# KiCad board KeeBoard.kicad_pcb (continued)
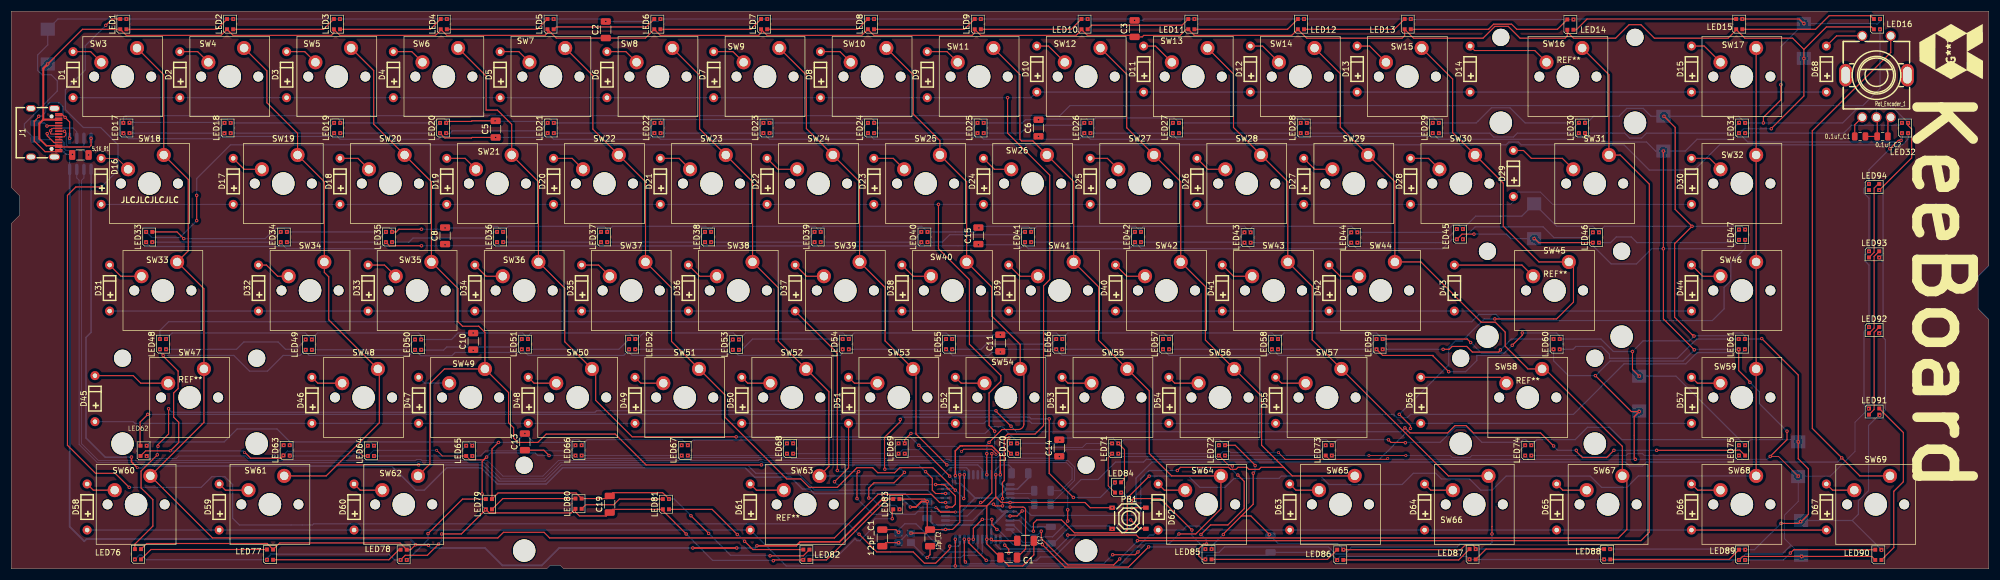
[diagram p0: board, top side]
## Nets
GND: 0.1uf_C1.2 0.1uf_C2.1 5.1K_R1.2 5.1K_R2.2 12pF_C1.2 12pF_C2.2 C1.2 C2.2 C3.2 C5.2 C6.2 C8.2 C10.2 C11.2 C13.2 C14.2 C15.2 C16.1 C17.1 C18.1 C19.2 C20.2 LED1.3 LED2.3 LED3.3 LED4.3 LED5.3 LED6.3 LED7.3 LED8.3 LED9.3 LED10.3 LED11.3 LED12.3 LED13.3 LED14.3 LED15.3 LED16.3 LED17.3 LED18.3 LED19.3 LED20.3 LED21.3 LED22.3 LED23.3 LED24.3 LED25.3 LED26.3 LED27.3 LED28.3 LED29.3 LED30.3 LED31.3 LED32.3 LED33.3 LED34.3 LED35.3 LED36.3 LED37.3 LED38.3 LED39.3 LED40.3 LED41.3 LED42.3 LED43.3 LED44.3 LED45.3 LED46.3 LED47.3 LED48.3 LED49.3 LED50.3 LED51.3 LED52.3 LED53.3 LED54.3 LED55.3 LED56.3 LED57.3 LED58.3 LED59.3 LED60.3 LED61.3 LED62.3 LED63.3 LED64.3 LED65.3 LED66.3 LED67.3 LED68.3 LED69.3 LED70.3 LED71.3 LED72.3 LED73.3 LED74.3 LED75.3 LED76.3 LED77.3 LED78.3 LED79.3 LED80.3 LED81.3 LED82.3 LED83.3 LED84.3 LED85.3 LED86.3 LED87.3 LED88.3 LED89.3 LED90.3 LED91.3 LED92.3 LED93.3 LED94.3 Main_C1.2 Main_c2.2 Main_c3.2 Main_c4.2 Main_c5.2 Main_c6.2 Main_c7.2 PB1.1 PB1.2 Rot_Encoder_1.C U2.5 U2.15 U2.23 U2.35 U2.43 U3.4 X1.2 X1.4
VBUS: C16.2 C17.2 C18.2 R1.1 U2.2 U2.7 U2.14 U2.24 U2.34 U2.44 U3.1
a4: C2.1 C3.1 C5.1 C6.1 C8.1 C10.1 C11.1 C13.1 C14.1 C15.1 C19.1 C20.1 J1.A4 J1.A9 J1.B4 J1.B9 LED1.1 LED2.1 LED3.1 LED4.1 LED5.1 LED6.1 LED7.1 LED8.1 LED9.1 LED10.1 LED11.1 LED12.1 LED13.1 LED14.1 LED15.1 LED16.1 LED17.1 LED18.1 LED19.1 LED20.1 LED21.1 LED22.1 LED23.1 LED24.1 LED25.1 LED26.1 LED27.1 LED28.1 LED29.1 LED30.1 LED31.1 LED32.1 LED33.1 LED34.1 LED35.1 LED36.1 LED37.1 LED38.1 LED39.1 LED40.1 LED41.1 LED42.1 LED43.1 LED44.1 LED45.1 LED46.1 LED47.1 LED48.1 LED49.1 LED50.1 LED51.1 LED52.1 LED53.1 LED54.1 LED55.1 LED56.1 LED57.1 LED58.1 LED59.1 LED60.1 LED61.1 LED62.1 LED63.1 LED64.1 LED65.1 LED66.1 LED67.1 LED68.1 LED69.1 LED70.1 LED71.1 LED72.1 LED73.1 LED74.1 LED75.1 LED76.1 LED77.1 LED78.1 LED79.1 LED80.1 LED81.1 LED82.1 LED83.1 LED84.1 LED85.1 LED86.1 LED87.1 LED88.1 LED89.1 LED90.1 LED91.1 LED92.1 LED93.1 LED94.1 Main_C1.1 Main_c2.1 Main_c3.1 Main_c4.1 Main_c5.1 Main_c6.1 Main_c7.1 U3.8
C1: SW3.2 SW18.2 SW33.2 SW47.2 SW60.2 U2.29
C2: SW4.2 SW19.2 SW34.2 SW48.2 SW61.2 U2.30
C3: SW5.2 SW20.2 SW35.2 SW49.2 SW62.2 U2.31
C4: SW6.2 SW21.2 SW36.2 SW50.2 U2.32
C5: SW7.2 SW22.2 SW37.2 SW51.2 U2.36
C6: SW8.2 SW23.2 SW38.2 SW52.2 SW63.2 U2.37
C7: SW9.2 SW24.2 SW39.2 SW53.2 U2.40
C8: SW10.2 SW25.2 SW40.2 SW54.2 U2.41
C9: SW11.2 SW26.2 SW41.2 SW55.2 SW64.2 U2.20
C10: SW12.2 SW27.2 SW42.2 SW56.2 SW65.2 U2.19
C11: SW13.2 SW28.2 SW43.2 SW57.2 SW66.2 U2.18
C12: SW14.2 SW29.2 SW44.2 SW58.2 SW67.2 U2.12
C13: SW15.2 SW30.2 SW45.2 U2.11
C14: SW16.2 SW31.2 U2.10
C15: SW17.2 SW32.2 SW46.2 SW59.2 SW68.2 U2.9
C16: Rot_Encoder_1.E SW69.2 U2.8
d+: R2.1 U3.2
d-: R3.1 U3.3
encoder_a: 0.1uf_C1.1 Rot_Encoder_1.A
encoder_b: 0.1uf_C2.2 Rot_Encoder_1.B
LED_DIN: LED1.4 U2.21
R1: D1.1 D2.1 D3.1 D4.1 D5.1 D6.1 D7.1 D8.1 D9.1 D10.1 D11.1 D12.1 D13.1 D14.1 D15.1 D68.1 U2.25
R2: D16.1 D17.1 D18.1 D19.1 D20.1 D21.1 D22.1 D23.1 D24.1 D25.1 D26.1 D27.1 D28.1 D29.1 D30.1 U2.26
R3: D31.1 D32.1 D33.1 D34.1 D35.1 D36.1 D37.1 D38.1 D39.1 D40.1 D41.1 D42.1 D43.1 D44.1 U2.27
R4: D45.1 D46.1 D47.1 D48.1 D49.1 D50.1 D51.1 D52.1 D53.1 D54.1 D55.1 D56.1 D57.1 U2.28
R5: D58.1 D59.1 D60.1 D61.1 D62.1 D63.1 D64.1 D65.1 D66.1 D67.1 U2.22
Rt_1: D68.2 Rot_Encoder_1.D
Net-(D1-A): D1.2 SW3.1
Net-(D2-A): D2.2 SW4.1
Net-(D3-A): D3.2 SW5.1
Net-(D4-A): D4.2 SW6.1
Net-(D5-A): D5.2 SW7.1
Net-(D6-A): D6.2 SW8.1
Net-(D7-A): D7.2 SW9.1
Net-(D8-A): D8.2 SW10.1
Net-(D9-A): D9.2 SW11.1
Net-(D10-A): D10.2 SW12.1
Net-(D11-A): D11.2 SW13.1
Net-(D12-A): D12.2 SW14.1
Net-(D13-A): D13.2 SW15.1
Net-(D14-A): D14.2 SW16.1
Net-(D15-A): D15.2 SW17.1
Net-(D16-A): D16.2 SW18.1
Net-(D17-A): D17.2 SW19.1
Net-(D18-A): D18.2 SW20.1
Net-(D19-A): D19.2 SW21.1
Net-(D20-A): D20.2 SW22.1
Net-(D21-A): D21.2 SW23.1
Net-(D22-A): D22.2 SW24.1
Net-(D23-A): D23.2 SW25.1
Net-(D24-A): D24.2 SW26.1
Net-(D25-A): D25.2 SW27.1
Net-(D26-A): D26.2 SW28.1
Net-(D27-A): D27.2 SW29.1
Net-(D28-A): D28.2 SW30.1
Net-(D29-A): D29.2 SW31.1
Net-(D30-A): D30.2 SW32.1
Net-(D31-A): D31.2 SW33.1
Net-(D32-A): D32.2 SW34.1
Net-(D33-A): D33.2 SW35.1
Net-(D34-A): D34.2 SW36.1
Net-(D35-A): D35.2 SW37.1
Net-(D36-A): D36.2 SW38.1
Net-(D37-A): D37.2 SW39.1
Net-(D38-A): D38.2 SW40.1
Net-(D39-A): D39.2 SW41.1
Net-(D40-A): D40.2 SW42.1
Net-(D41-A): D41.2 SW43.1
Net-(D42-A): D42.2 SW44.1
Net-(D43-A): D43.2 SW45.1
Net-(D44-A): D44.2 SW46.1
Net-(D45-A): D45.2 SW47.1
Net-(D46-A): D46.2 SW48.1
Net-(D47-A): D47.2 SW49.1
Net-(D48-A): D48.2 SW50.1
Net-(D49-A): D49.2 SW51.1
Net-(D50-A): D50.2 SW52.1
Net-(D51-A): D51.2 SW53.1
Net-(D52-A): D52.2 SW54.1
Net-(D53-A): D53.2 SW55.1
Net-(D54-A): D54.2 SW56.1
Net-(D55-A): D55.2 SW57.1
Net-(D56-A): D56.2 SW58.1
Net-(D57-A): D57.2 SW59.1
Net-(D58-A): D58.2 SW60.1
Net-(D59-A): D59.2 SW61.1
Net-(D60-A): D60.2 SW62.1
Net-(D61-A): D61.2 SW63.1
Net-(D62-A): D62.2 SW64.1
Net-(D63-A): D63.2 SW65.1
Net-(D64-A): D64.2 SW66.1
Net-(D65-A): D65.2 SW67.1
Net-(D66-A): D66.2 SW68.1
Net-(D67-A): D67.2 SW69.1
Net-(J1-CC1): 5.1K_R2.1 J1.A5
Net-(J1-CC2): 5.1K_R1.1 J1.B5
Net-(J1-D+-PadA6): J1.A6 J1.B6 U3.7
Net-(J1-D--PadA7): J1.A7 J1.B7 U3.6
Net-(J1-GND-PadA1): J1.A1 J1.A12 J1.B1 J1.B12 U3.5
Net-(LED1-DOUT): LED1.2 LED2.4
Net-(LED2-DOUT): LED2.2 LED3.4
Net-(LED3-DOUT): LED3.2 LED4.4
Net-(LED4-DOUT): LED4.2 LED5.4
Net-(LED5-DOUT): LED5.2 LED6.4
Net-(LED6-DOUT): LED6.2 LED7.4
Net-(LED7-DOUT): LED7.2 LED8.4
Net-(LED8-DOUT): LED8.2 LED9.4
Net-(LED10-DIN): LED9.2 LED10.4
Net-(LED10-DOUT): LED10.2 LED11.4
Net-(LED11-DOUT): LED11.2 LED12.4
Net-(LED12-DOUT): LED12.2 LED13.4
Net-(LED13-DOUT): LED13.2 LED14.4
Net-(LED14-DOUT): LED14.2 LED15.4
Net-(LED15-DOUT): LED15.2 LED16.4
Net-(LED16-DOUT): LED16.2 LED17.4
Net-(LED17-DOUT): LED17.2 LED18.4
Net-(LED18-DOUT): LED18.2 LED19.4
Net-(LED19-DOUT): LED19.2 LED20.4
Net-(LED20-DOUT): LED20.2 LED21.4
Net-(LED21-DOUT): LED21.2 LED22.4
Net-(LED22-DOUT): LED22.2 LED23.4
Net-(LED23-DOUT): LED23.2 LED24.4
Net-(LED24-DOUT): LED24.2 LED25.4
Net-(LED25-DOUT): LED25.2 LED26.4
Net-(LED26-DOUT): LED26.2 LED27.4
Net-(LED27-DOUT): LED27.2 LED28.4
Net-(LED28-DOUT): LED28.2 LED29.4
Net-(LED29-DOUT): LED29.2 LED30.4
Net-(LED30-DOUT): LED30.2 LED31.4
Net-(LED31-DOUT): LED31.2 LED32.4
Net-(LED32-DOUT): LED32.2 LED33.4
Net-(LED33-DOUT): LED33.2 LED34.4
Net-(LED34-DOUT): LED34.2 LED35.4
Net-(LED35-DOUT): LED35.2 LED36.4
Net-(LED36-DOUT): LED36.2 LED37.4
Net-(LED37-DOUT): LED37.2 LED38.4
Net-(LED38-DOUT): LED38.2 LED39.4
Net-(LED39-DOUT): LED39.2 LED40.4
Net-(LED40-DOUT): LED40.2 LED41.4
Net-(LED41-DOUT): LED41.2 LED42.4
Net-(LED42-DOUT): LED42.2 LED43.4
Net-(LED43-DOUT): LED43.2 LED44.4
Net-(LED44-DOUT): LED44.2 LED45.4
Net-(LED45-DOUT): LED45.2 LED46.4
Net-(LED46-DOUT): LED46.2 LED47.4
Net-(LED47-DOUT): LED47.2 LED48.4
Net-(LED48-DOUT): LED48.2 LED49.4
Net-(LED49-DOUT): LED49.2 LED50.4
Net-(LED50-DOUT): LED50.2 LED51.4
Net-(LED51-DOUT): LED51.2 LED52.4
Net-(LED52-DOUT): LED52.2 LED53.4
Net-(LED53-DOUT): LED53.2 LED54.4
Net-(LED54-DOUT): LED54.2 LED55.4
Net-(LED55-DOUT): LED55.2 LED56.4
Net-(LED56-DOUT): LED56.2 LED57.4
Net-(LED57-DOUT): LED57.2 LED58.4
Net-(LED58-DOUT): LED58.2 LED59.4
Net-(LED59-DOUT): LED59.2 LED60.4
Net-(LED60-DOUT): LED60.2 LED61.4
Net-(LED61-DOUT): LED61.2 LED62.4
Net-(LED62-DOUT): LED62.2 LED63.4
Net-(LED63-DOUT): LED63.2 LED64.4
Net-(LED64-DOUT): LED64.2 LED65.4
Net-(LED65-DOUT): LED65.2 LED66.4
Net-(LED66-DOUT): LED66.2 LED67.4
Net-(LED67-DOUT): LED67.2 LED68.4
Net-(LED68-DOUT): LED68.2 LED69.4
Net-(LED69-DOUT): LED69.2 LED70.4
Net-(LED70-DOUT): LED70.2 LED71.4
Net-(LED71-DOUT): LED71.2 LED72.4
Net-(LED72-DOUT): LED72.2 LED73.4
Net-(LED73-DOUT): LED73.2 LED74.4
Net-(LED74-DOUT): LED74.2 LED75.4
Net-(LED75-DOUT): LED75.2 LED76.4
Net-(LED76-DOUT): LED76.2 LED77.4
Net-(LED77-DOUT): LED77.2 LED78.4
Net-(LED78-DOUT): LED78.2 LED79.4
Net-(LED79-DOUT): LED79.2 LED80.4
Net-(LED80-DOUT): LED80.2 LED81.4
Net-(LED81-DOUT): LED81.2 LED82.4
Net-(LED82-DOUT): LED82.2 LED83.4
Net-(LED83-DOUT): LED83.2 LED84.4
Net-(LED84-DOUT): LED84.2 LED85.4
Net-(LED85-DOUT): LED85.2 LED86.4
Net-(LED86-DOUT): LED86.2 LED87.4
Net-(LED87-DOUT): LED87.2 LED88.4
Net-(LED88-DOUT): LED88.2 LED89.4
Net-(LED89-DOUT): LED89.2 LED90.4
Net-(LED90-DOUT): LED90.2 LED91.4
Net-(LED91-DOUT): LED91.2 LED92.4
Net-(LED92-DOUT): LED92.2 LED93.4
Net-(LED93-DOUT): LED93.2 LED94.4
Net-(PB1-C): PB1.3 PB1.4 R1.2 U2.13
Net-(U2-D+): R2.2 U2.4
Net-(U2-D-): R3.2 U2.3
Net-(U2-UCAP): C1.1 U2.6
Net-(U2-XTAL1): 12pF_C1.1 U2.17 X1.1
Net-(U2-XTAL2): 12pF_C2.1 U2.16 X1.3

Pads without a net: J1 0 1 2 3 A8 B8; LED94 2; Rot_Encoder_1 6 7; U2 1 33 38 39 42

## Via types
v1: diameter 0.6, hole 0.3, Top to Bottom, 440 vias
v2: diameter 0.5, hole 0.3, Top to Bottom, 60 vias

## Routing (per net, layer and track width the routed paths; a pad name or vN(x,y) marks a point on that pad's centre or on a via; arc(x,y) is an arc through that point)
GND: length 2432
  Top w0.2: v1(168.8,16.74) 168.8,11 ; 168.8,11 168.8,8.3 167.5,7 v1(166.26,7) 166.23,6.97 12pF_C2.2 ; 168.8,11 169,11.2 173.6,11.2 ; v1(314.9,86.2) 314.9,83.5 311.8,80.4 v1(311.8,79.4) ; C5.2 v1(86.1,79.78) 82,79.78 81.9,79.67 77.66,79.67 v1(77.4,79.41) ; C17.1 181.97,2.47 180,0.5 177.5,0.5 177.5,0.53 C1.2 173.6,4.42 v1(173.6,5.26) 173.6,11.2 ; v1(223.9,6.1) 220.6,9.4 218.9,9.4 ; 173.6,11.2 175.2,12.8 ; 175.2,12.8 176.2,11.8 v1(177.74,11.8) 191.07,11.8 192,10.88 v1(195.9,10.88) ; 175.2,12.8 v1(175.2,16.74) ; v1(268.9,42) 268.9,41.6 v1(267.1,39.8) ; v1(21.05,79.5) LED17.3 ; v1(67.77,60) 68.5,60 68.97,60.48 v1(73,60.48) ; 318.6,8.5 319.8,9.7 319.8,17.8 318,19.6 v1(318,22.6) 318,34.5 v1(311.5,41) ; v1(160.1,6.35) 162.88,6.35 12pF_C2.2 ; v1(117.05,12.42) 115.91,13.55 107.08,13.55 C19.2 106.03,12.5 LED80.3 100.5,13.5 86.64,13.5 LED79.3 85.55,21.35 v1(86.7,22.5) ; v1(221.01,17.02) 221.01,11.51 218.9,9.4 ; 299.1,41.7 299.2,41.7 v1(299.45,41.45) ; 299.1,41.7 299.3,41.5 ; 299.1,41.7 296,44.8 296,57.9 v1(299.1,61) 296.1,64 296.1,78.6 v1(294.1,80.6) ; v1(71.94,4.28) 71.06,3.4 LED78.3 69.18,4.6 47.77,4.6 LED77.3 45.53,4.5 45.1,4.5 ; LED84.3 198.1,16 198.1,21.23 v2(197,22.33) ; v1(332.4,67.4) 338.18,73.18 338.18,78.32 337.55,78.95 v1(337.55,79.41) ; v1(245.08,22.96) 245.54,22.5 248,22.5 ; 12pF_C1.2 155.62,4.65 v1(157.9,4.65) ; v2(216,22) 217.8,22 221.3,18.5 ; v1(260.6,3.5) 260.6,3.7 260,4.3 258.8,4.3 257.9,3.4 LED86.3 ; 45.1,4.5 24.1,4.5 LED76.3 ; 45.1,4.5 45.6,4.5 ; v1(308.05,97.91) 318.19,97.91 v1(319,97.1) ; v1(318.4,8.4) 318.08,8.08 v1(314.94,8.08) ; LED33.3 29.5,60 v1(30.7,58.8) ; LED83.3 162.56,12.42 v1(163,11.97) 163,7.47 12pF_C2.2 ; 218.9,9.4 215.7,6.2 ; v1(289.7,34.3) 288.5,35.5 v1(288.5,38.7) ; v1(160.1,24.1) 159,23 v2(159,22.33) ; v1(199.4,10.8) 199.6,10.8 199.68,10.88 PB1.2 ; v1(244.05,40.92) 259.1,40.92 259.1,40.9 v1(259.7,40.3) ; LED82.3 140.94,2.31 v1(135.04,2.31) ; v1(124.1,6.3) v1(120.95,9.45) ; Rot_Encoder_1.C 332.05,80.28 0.1uf_C2.1 0.1uf_C1.2
  Top w0.3: v1(121.3,3.7) v1(129.1,3.7) 129.2,3.7 ; v1(155.2,12.6) 147.4,4.8 140.4,4.8 139.69,4.09 v1(132.7,4.09) ; 74.1,4.3 74.08,4.28 v1(71.94,4.28) ; v1(160,11) 161,11 161.97,11.97 v1(163,11.97)
  Bottom w0.2: v1(267.1,39.8) 265.7,38.4 261.6,38.4 v1(259.7,40.3) ; v1(175.2,16.74) 175.2,17.7 176,18.5 177.5,18.5 178.03,17.97 C16.1 ; v1(49.55,22.02) 49.6,22.06 49.6,22.6 ; Main_c7.2 327.6,8.6 ; 327.6,8.6 LED90.3 ; 327.6,8.6 328.7,9.7 328.7,12.1 330.5,13.9 330.5,25.5 332.4,27.4 ; v1(237.1,3.4) 236,4.5 225.47,4.5 C20.2 ; v1(332.5,27.3) 332.6,27.3 333.5,28.2 333.5,40.8 332.5,41.8 ; 91.4,24.1 89.8,22.5 v1(86.7,22.5) 82.5,22.5 82.05,22.05 v2(82.05,21.92) 81.36,22.6 65.3,22.6 64.61,21.92 v2(64.55,21.92) 63.86,22.6 49.6,22.6 ; v1(195.9,10.88) 199.38,10.88 199.4,10.9 ; v1(115.53,97.91) v1(134.53,97.91) v1(153.53,97.91) v1(172.54,97.91) v1(191.54,97.91) 199.41,97.91 199.66,97.67 v1(199.9,97.67) 201.34,97.67 201.59,97.91 v1(210.55,97.91) v1(230.05,97.91) v1(249.05,97.91) 249.13,97.83 v1(278,97.83) 278.08,97.91 v1(308.05,97.91) ; v1(115.53,97.91) 115.26,98.17 ; v1(115.53,97.91) 115.09,97.47 v1(105.8,97.47) 105.36,97.91 v1(96.52,97.91) v1(77.52,97.91) v1(58.51,97.91) v1(39.51,97.91) v1(20.5,97.91) 8.32,97.91 Main_C1.2 6.5,93.3 4.7,91.5 4.7,88.74 5.44,88 7.1,88 8.2,86.9 8.2,85.1 2.34,79.24 2.34,78.4 5.1K_R2.2 7.16,76.44 9.8,73.8 v1(10.9,73.8) 10.39,73.3 U3.4 ; v1(77.4,79.41) 77.4,79.9 77.1,80.2 75.9,80.2 75.11,79.41 v1(58.55,79.41) 58.55,79.75 58.1,80.2 57.2,80.2 56.42,79.41 v1(39.05,79.41) 38.47,80 37,80 36.5,79.5 v1(21.05,79.5) ; 314.9,8.1 310.2,3.4 v1(308.6,3.4) 308.5,3.5 v1(284.5,3.5) ; v1(117.05,12.42) 117.99,12.42 v1(120.95,9.45) ; 49.6,22.6 47.3,24.9 40.2,24.9 37.9,22.6 24.78,22.6 v1(24.1,21.92) ; 331.9,82 331.92,81.98 Rot_Encoder_1.C ; 331.9,82 328.5,82 325.92,79.41 v1(308.55,79.41) 307.37,80.6 v1(294.1,80.6) Main_c3.2 291.8,80.6 290.4,82 287.5,82 286.2,80.7 286.2,80.6 281.6,80.6 280.42,79.41 v1(280.05,79.41) 280.05,79.95 279.92,80.08 278.58,80.08 277.92,79.41 269.38,79.41 266.7,82.1 263.4,82.1 261,79.7 260.99,79.7 260.7,79.41 v1(254.05,79.41) 252.96,80.5 252.5,80.5 251.42,79.41 v1(230.55,79.41) 230.55,79.45 229.5,80.5 229,80.5 227.91,79.41 v1(207.81,79.41) 206.93,80.3 192.94,80.3 v1(192.05,79.41) 191.37,80.1 182.93,80.1 v1(182.8,79.97) 180.53,79.97 180.5,80 179.91,79.41 v1(173.05,79.41) 173,79.47 173,79.5 172.3,80.2 171.2,80.2 170.41,79.41 v1(153.55,79.41) 153.55,79.75 153.1,80.2 151.7,80.2 150.91,79.41 v1(134.95,79.41) 134.37,80 116.13,80 v1(115.55,79.41) 115.55,79.95 115.5,80 114,80 113.42,79.41 v1(96.55,79.41) 95.77,80.2 95.2,80.2 94.67,79.67 86.2,79.67 v1(86.1,79.78) ; 331.9,82 334.96,82 v1(337.55,79.41) ; v1(221.35,18.39) 221.35,17.45 221,17.1 ; v1(260.6,3.5) 282.3,3.5 283,4.2 283.9,4.2 284.6,3.5 ; v1(27.55,40.92) 28.63,42 52.33,42 v1(53.5,40.83) 53.5,41 54.5,42 72.5,42 72.95,41.55 v1(72.95,40.83) 78.36,40.83 79,41.47 79,41.5 79.5,42 v1(82.2,42) 91,42 91.95,41.05 v1(91.95,40.92) 91.95,41.45 92.5,42 109.97,42 v1(111.05,40.92) 111.42,40.92 112.5,42 128.5,42 129.5,41 v1(129.5,40.83) 130.67,42 148,42 149.05,40.95 v1(149.05,40.92) 149.05,41.05 150,42 166.37,42 v1(167.45,40.92) 168.01,41.47 174.5,41.47 174.7,41.67 v1(176,41.67) 176.2,41.88 176.2,42 186,42 187.05,40.95 v1(187.05,40.92) 187.05,41.05 188,42 204.97,42 v1(206.05,40.92) 206.05,41.05 207,42 224.34,42 v1(225.43,40.92) 225.43,40.93 226.5,42 242.96,42 v1(244.05,40.92) ; v1(67.77,60) 67.77,60.33 67.3,60.8 65.8,60.8 65,60 v1(49.05,60) 48.4,60.65 47.05,60.65 45.2,58.8 v1(30.7,58.8) ; v1(124.1,6.3) 128,2.4 135,2.4 ; v1(157.9,4.65) 159.6,6.35 v1(160.1,6.35) ; v1(268.9,42) 275,42 275.55,41.45 v1(275.55,40.92) 282.88,40.92 285.1,38.7 v1(288.5,38.7) 290.4,40.6 298.6,40.6 v1(299.45,41.45) 299.5,41.5 306,41.5 306.5,42 308,42 308.5,41.5 v1(308.5,40.92) 311.42,40.92 v1(311.5,41) ; v1(314.9,86.2) 314.9,93 v1(319,97.1) 331.9,97.1 332,97 332.55,97.55 v1(332.55,97.91) ; v1(160.1,24.1) 173.3,24.1 174.5,25.3 176.41,25.3 179,22.71 v2(179,22.33) 186.03,22.33 v1(186.6,22.9) 187,23.3 196.03,23.3 v2(197,22.33) 197.33,22.33 198,23 215,23 v2(216,22) 217,23 234,23 v2(235,22) 236,23 245,23 ; v1(213.6,3.5) 213.6,4 v1(215.7,6.1) ; v1(308.55,60.41) 307.96,61 283.5,61 282.55,60.05 v1(282.55,59.91) 281.46,61 275,61 Main_c4.2 268.8,62.8 260.6,62.8 v1(258.3,60.5) 257.6,61.2 256.5,61.2 255.21,59.91 v1(239.55,59.91) 239.55,59.95 238.5,61 221,61 220.55,60.55 v1(220.55,59.91) 219.47,61 201.5,61 201.05,60.55 v1(201.05,60) 200.05,61 182.5,61 v1(181.5,60) 181.5,60.5 181,61 172.5,61 v1(172.2,60.7) 171.5,60 v1(163.05,60) 163,60 162,61 144.5,61 144.05,60.55 v1(144.05,60) 143.05,61 125,61 124.55,60.55 v1(124.55,60) 123.55,61 107,61 106.05,60.05 v1(106.05,60) 106.05,60.45 105.5,61 88.5,61 v1(87.5,60) 86.5,61 85.5,61 85.2,60.7 v1(77.2,60.7) 76.97,60.48 v1(73,60.48) ; v1(332.4,67.4) 333.1,66.7 333.1,56.1 v1(332.4,55.4) 333.1,54.7 333.1,42.6 v1(332.4,41.9) ; 307.55,23 286.6,23 284.4,25.2 280.5,25.2 278.3,23 271.5,23 v2(270.5,22) 269.5,23 269,23 268.5,22.5 268.47,22.53 261.7,22.53 259.03,25.2 257,25.2 254.7,22.9 254.67,22.9 254.3,22.53 248.17,22.53 v1(248.09,22.44) ; 307.55,23 v2(308.55,22) 308.55,22.05 309.5,23 317.6,23 v1(318,22.6) ; 307.55,23 296.25,34.3 v1(289.7,34.3) ; v1(91.41,24.09) 93,22.5 99.5,22.5 100,23 101,23 101.5,22.5 v2(101.5,22) 102.5,23 119.4,23 v2(120.4,22) 121.4,23 121.5,23 121.58,22.92 138.55,22.92 v2(139.14,22.33) 139.14,22.64 139.5,23 158.33,23 v2(159,22.33)
  Bottom w0.3: U3.4 10.4,71.12 10.4,7.5 13,4.9 13.4,5.3 71,5.3 71.94,4.36 v1(71.94,4.28) ; v1(129.1,3.7) 132.3,3.7 132.6,4 ; v1(155.2,12.6) 158.4,12.6 159.9,11.1 ; 121.4,3.7 v1(121.3,3.7) 97.5,3.7 94.4,0.6 87.4,0.6 84.3,3.7 74.72,3.7 v1(74.24,4.18)
  vias: v1(332.8,3.3)
VBUS: length 293.3
  Top w0.15: v2(164.54,10.88) 164.62,10.88
  Top w0.254: v1(176,16.74) 176,20.4 174.5,21.9 174.4,21.9 174.39,21.89 169.21,21.89 169.2,21.9 168.9,21.9 168,21 v1(168,16.6) ; v1(21.4,19.9) 21.4,19.03 v2(22.43,18) ; 164.62,10.88 165.4,10.1 v2(168,10.1) ; C17.2 174.66,5 v1(174.4,5.26)
  Bottom w0.254: U2.24 164.22,7.8 C18.2 ; 14.2,71.13 14.2,42.1 13.3,41.19 13.3,23.3 16.74,19.86 21.36,19.86 v1(21.4,19.9) ; R1.1 181.54,7.46 178.8,10.2 U2.7 177.09,10.2 ; U2.34 v1(168,16.6) 168,15.4 168.2,15.2 168.92,15.2 171.52,12.61 169.01,10.1 v2(168,10.1) ; 177.09,14.2 U2.2 179.07,14.2 180.97,16.1 C16.2 ; 164.5,10.9 161.6,10.9 159.1,13.4 142.9,13.4 142.1,14.2 140.8,14.2 138.7,16.3 132.3,16.3 130.6,18 98.1,18 95.2,15.1 86.5,15.1 83.6,18 77.5,18 73.5,14 72,14 67.7,18.3 23.6,18.3 23.3,18 v2(22.43,18)
  Bottom w0.35: 177.09,10.2 174.4,7.51 ; 174.4,7.51 v1(174.4,5.26) ; 174.4,7.51 174.11,7.8 U2.24 ; 175.5,12.61 177.09,14.2 176,15.29 v1(176,16.74) ; 175.5,12.61 175.5,11 176.3,10.2 U2.7 ; 175.5,12.61 171.52,12.61
a4: length 2157.5
  Top w0.15: 8.22,80 J1.A4 ; v2(75.7,21.1) 76.72,20.08 LED65.1 81.64,19.4 84,19.4 84.5,19.9 ; v1(318,16.5) 314.5,20 v1(313,20) ; v2(169.1,20.9) 169.5,21.3 174.48,21.3 175.23,20.55 v2(175.23,20.37) ; v2(177.9,20.5) 177.2,21.2 177.2,23.3 177.3,23.4 177.5,23.4 ; 234.57,19.5 LED73.1 ; 234.57,19.5 226.7,19.5 v2(225.5,20.7) ; 234.57,19.5 244.8,19.5 v2(244.95,19.65) ; 61.7,21 v2(61.75,20.95) 62.61,20.08 v2(63.45,20.08) ; v2(214.9,20.17) 216.57,18.5 217.1,18.5 v1(217.3,18.3) ; v2(195.9,20.5) 195.2,19.8 195.2,14.77 LED84.1
  Top w0.2: v1(319,90.9) 319,91 ; v1(319,90.9) 319,84.2 313.2,78.4 ; v1(319,90.9) 319,92.5 ; v1(84.6,19.9) 83.8,19.1 83.8,13.4 ; v1(76.6,6.2) 80.1,6.2 v1(84.4,10.5) ; v1(271,58.8) 271.1,58.8 271.81,58.09 v1(281.45,58.09) ; LED16.1 331.04,96.5 323,96.5 319,92.5 ; v1(307.45,1.57) 308.08,2.2 v1(318.6,2.2) 331.07,2.2 LED90.1 ; v1(211.7,6.1) 213.4,7.8 216.5,7.8 219.4,10.7 219.4,15.57 v1(218.27,16.69) ; 319,92.5 317,94.5 308.5,94.5 306.95,96.05 LED15.1 306.95,95.95 305.5,94.5 292.4,94.5 290,96.9 287.9,96.9 285.5,94.5 278,94.5 276.9,95.6 LED14.1 276.9,94.9 276.5,94.5 268.5,94.5 266.4,96.6 264,96.6 261.9,94.5 249.54,94.5 LED13.1 247.95,94.95 247.5,94.5 230.53,94.5 LED12.1 227.87,95 210.5,95 210.5,95.03 LED11.1 209.09,96.09 208,95 201.53,95 201.25,94.72 C3.1 ; v1(86.2,76.83) 82,76.83 81.9,76.72 77.16,76.72 v1(76.3,77.59) ; v1(212.5,1.67) 211.93,1.67 211.3,2.3 211.3,3.56 212.14,4.4 v1(212.7,4.4) ; v1(334.3,74.8) 335.8,76.3 336.2,76.3 ; v1(257.25,58.69) 258.17,59.6 v1(260.3,59.6) ; 48.28,20.08 v1(48.4,20.2) ; 95.5,95.5 95.5,96 LED5.1 96,95.5 ; 95.5,95.5 96,95.5 96,95.5 ; 95.5,95.5 95,95 77.5,95 LED4.1 76.42,95.91 75.5,95 58.5,95 LED3.1 57.41,95.41 57,95 39.49,95 LED2.1 37.32,95 20.48,95 LED1.1 12.68,96.09 v1(6.5,89.9) ; LED82.1 135.76,1.58 v1(135.61,1.44) ; C13.1 94.78,21.12 95.7,20.2 ; v1(316,24.5) 316,23 v1(313,20) ; v1(255.8,35.1) 253,37.9 253,38 244.04,38 v1(242.95,39.08) ; 96,95.5 96.98,94.53 C2.1 112.86,94.53 LED6.1 115.51,95 133,95 133.5,95.5 133.5,96.02 LED7.1 134.51,95 151.35,95 LED8.1 153.52,95 171,95 171.44,95.44 LED9.1 172.53,95 189.5,95 190.44,95.94 LED10.1 190.44,96.06 191.5,95 199.88,95 ; v2(41.5,20.7) 41.6,20.7 42.6,19.7 47.97,19.7 LED63.1 ; v1(156.78,8.91) 156.78,10.41 LED83.1 ; J1.A9 13.93,75.12 14.2,75.41 v1(14.2,76.67) ; v1(289,19.5) 288.8,19.7 288.8,27.1 v1(289.7,28) 288.3,28 v1(281.9,34.4) ; v1(66.67,58.17) 67.31,57.52 v1(73,57.52) ; 309.4,33.3 307.4,35.3 v1(307.4,39.08) ; LED62.1 23.91,21 v2(28.3,21) 29.8,22.5 29.8,26.1 28.9,27 28.9,31.3 29.7,32.1 29.7,35.2 27.04,37.86 v1(27.04,38) ; v1(76.05,4.39) 74.05,2.4 70.1,2.4 70.1,2.39 v1(69.28,1.57) ; 6.35,75.35 6.25,75.35 ; LED79.1 85.08,9.96 99.69,9.96 LED80.1 100.4,10.12 101.12,9.4 105.88,9.4 C19.1 107.06,10.58 LED81.1 115.95,10.35 120,6.3 ; v1(299.5,39) 294,44.5 v1(294,57) v1(294,74.4)
  Top w0.25: 6.35,75.35 8.23,75.35
  Top w0.3: 6.25,75.35 5,76.6
  Top w0.35: 5.7,80 5,79.3 5,76.6 ; 5.7,80 8.22,80 ; 5.7,80 5.7,89.1 v1(6.5,89.9) ; 8.23,75.35 8.45,75.13
  Bottom w0.15: v2(63.45,20.08) 64.47,21.1 v2(75.7,21.1) ; 270,19.5 306.78,19.5 v2(307.45,20.17) 308.12,19.5 312.5,19.5 v1(313,20) ; 270,19.5 269.4,20.1 v2(269.4,20.17) ; 270,19.5 245.1,19.5 v2(244.95,19.65) ; v2(61.75,20.95) 49.1,20.95 49.1,20.9 v1(48.4,20.2) ; v1(95.7,20.17) v2(100.4,20.17) 100.9,19.67 110.97,19.67 111,19.7 118.83,19.7 v2(119.3,20.17) 119.84,19.63 120.77,19.63 120.94,19.8 138.74,19.8 138.91,19.63 ; 138.91,19.63 v2(138.04,20.5) ; 138.91,19.63 157.03,19.63 v2(157.9,20.5) 158.6,21.2 161.5,21.2 162.1,21.8 168.2,21.8 v2(169.1,20.9) ; v2(177.9,20.5) 178.7,19.7 186.2,19.7 v2(186.5,20) 187.7,21.2 194.8,21.2 195.5,20.5 v2(195.9,20.5) 196.4,20 214.73,20 v2(214.9,20.17) 215.63,20.9 216.8,20.9 217,20.7 v2(225.5,20.7) ; v1(330.5,28.5) 328.1,26.1 328.1,20.9 323.7,16.5 v1(318,16.5) 318,12 315.55,9.55 315.55,5.35 Main_c7.1 ; 218.2,16.7 217.3,17.6 v1(217.3,18.3) ; 175.3,20.5 177.59,22.79 v2(177.59,23.37)
  Bottom w0.2: v1(84.6,19.9) 84.6,20 85.25,20.65 93.22,20.65 93.7,20.17 v1(95.7,20.17) ; v1(140.9,1.6) 141.7,2.4 147.2,2.4 150.15,5.35 150.5,5 151,5 152.65,6.65 152.65,7.85 153.7,8.9 156.7,8.9 ; v1(22,1.67) 22.8,2.47 22.8,2.5 23.1,2.5 24,1.6 v1(45.5,1.6) 45.5,1.9 46.2,2.6 67.2,2.6 68.23,1.57 v1(69.28,1.57) ; v1(313.2,78.37) 308.23,78.37 v1(307.45,77.59) ; 135.6,1.5 124.8,1.5 v1(120.1,6.2) ; v1(76.6,6.2) 76.6,5 76.1,4.5 ; 212.5,1.7 212.5,2 212.9,2.4 223.57,2.4 224.1,2.92 234.57,2.92 v1(236,1.5) 236,1.8 236.4,2.2 259,2.2 v1(259.5,1.7) 259.54,1.66 v1(283.47,1.66) 283.56,1.57 v1(307.45,1.57) 307.57,1.57 308.6,2.6 315.1,2.6 316.7,4.2 ; 336.5,77.5 336.5,76.5 v1(336.3,76.3) 336,76 309.04,76 v1(307.45,77.59) ; v1(242.95,39.08) 241.87,38 225.5,38 224.41,39.08 v1(224.33,39.08) 224.33,38.83 223.5,38 206.03,38 v1(204.95,39.08) 203.87,38 187.03,38 v1(185.95,39.08) 176.49,39.08 v1(176,38.6) 175.93,38.53 174.5,38.53 173.93,37.95 167.55,37.95 166.41,39.08 v1(166.35,39.08) ; v1(86.2,76.83) 94.49,76.83 94.5,76.82 94.68,76.82 v1(95.45,77.59) 96,77.03 96,77 96.5,76.5 113.36,76.5 v1(114.45,77.59) 115.53,76.5 132.76,76.5 v1(133.85,77.59) 134.94,76.5 151.37,76.5 v1(152.45,77.59) 153.5,76.53 153.5,76.5 170.87,76.5 v1(171.95,77.59) 173.03,76.5 182.28,76.5 v1(182.8,77.03) 183.32,76.5 190,76.5 190.95,77.45 v1(190.95,77.59) 192.03,76.5 205.62,76.5 v1(206.71,77.59) 206.71,77.29 207.5,76.5 228.37,76.5 v1(229.45,77.59) 230.03,77.01 252.37,77.01 v1(252.95,77.59) 253.5,77.03 253.5,77 254,76.5 277.87,76.5 v1(278.95,77.59) 280.54,76 291,76 292.6,74.4 v1(294,74.4) 297.9,74.4 300,76.5 306.37,76.5 v1(307.45,77.59) ; v1(147.95,39.08) 147.95,38.45 147.5,38 129.4,38 v1(128.4,39) 127.4,38 110.5,38 109.95,38.55 v1(109.95,39.08) 109.95,38.95 109,38 92,38 90.92,39.08 v1(90.85,39.08) 90.29,38.53 82.58,38.53 v1(82.2,38.9) 81.83,38.53 79,38.53 78.42,37.95 72.9,37.95 v1(71.85,39) 70.85,38 53,38 52.4,38.6 v1(52.4,39) 51.4,38 48.4,38 45.6,35.2 42.4,35.2 39.6,38 27,38 26.45,38.55 v1(26.45,39.08) ; v1(309.4,33.2) 311.1,31.5 311.1,29.4 v1(316,24.5) ; v1(24,58.17) 24.77,57.4 47.5,57.4 47.8,57.7 47.8,58.02 v1(47.95,58.17) 47.95,58.05 49,57 65.5,57 v1(66.67,58.17) ; v1(257.25,58.69) 256.38,58.69 254.7,57 239.5,57 238.5,58 238.5,58.03 v1(238.45,58.09) 237.37,57 220.5,57 219.5,58 219.5,58.03 v1(219.45,58.09) 218.37,57 201.12,57 v1(199.95,58.17) 199.95,58.05 200,58 199,57 181,57 180.4,57.6 v1(180.4,58.17) 180.4,57.9 179.5,57 178.8,57.7 v1(172.1,57.7) 171.93,57.52 162.59,57.52 v1(161.95,58.17) 161.95,57.95 161.5,57.5 143.62,57.5 v1(142.95,58.17) 142.28,57.5 124.12,57.5 v1(123.45,58.17) 122.78,57.5 105.62,57.5 v1(104.95,58.17) 104.28,57.5 87.12,57.5 v1(86.45,58.17) 85.81,57.52 77.38,57.52 v1(77.2,57.7) 77.03,57.52 v1(73,57.52) ; v1(271,58.8) 266.9,58.8 266.1,59.6 260.4,59.6 ; v1(307.4,39.08) 299.58,39.08 297.5,37 284.5,37 v1(281.9,34.4) 277.1,34.4 274.45,37.05 v1(274.45,39.08) 274.08,39.08 273,38 260.8,38 260.8,37.1 258.8,35.1 v1(255.8,35.1) 255.7,35.2 ; v1(76.3,77.59) 76.3,76.8 76,76.5 58.53,76.5 v1(57.45,77.59) ; v1(212.7,4.4) 212.7,5.1 v1(211.7,6.1) ; v1(307.45,58.59) 307.45,58.45 306,57 291.9,57 289.2,54.3 284.7,54.3 281.5,57.5 281.5,58 281.45,58.05 v1(281.45,58.09) ; v2(41.5,20.7) 41.2,21 v2(28.3,21) ; 84.4,10.6 83.78,11.22 v1(83.78,13.33) ; 57.5,77.5 57,77 38.4,77 v1(37.9,77.5) 37,76.6 20.9,76.6 v1(20,77.5) ; v1(334.3,74.8) 330.58,71.09 v1(330.58,68.55) 329.94,67.9 329.9,67.9 329.7,67.7 329.7,66.9 330.58,66.02 v1(330.58,56.55) 329.8,55.77 329.8,55.5 329.85,55.45 329.85,54.83 330.58,54.1 v1(330.58,43.05) 329.7,42.17 329.7,29.3 v1(330.5,28.5)
  vias: v1(336.45,77.59)
C1: length 237.4
  Top w0.2: SW3.2 27.14,87.98 SW18.2 31.5,69.33 31.5,56.62 SW33.2 34.28,49.88 SW47.2 34.28,26.07 SW60.2 35.8,5.5 86.6,5.5 87.6,6.5 94.8,6.5 95.8,5.5 146.5,5.5 154.25,13.25 163.75,13.25 165.2,11.8 v1(166.26,11.8)
C2: length 210.7
  Top w0.2: 58,18.5 v1(72.5,18.5) ; 58,18.5 56.04,16.54 SW61.2 ; 58,18.5 65.5,26 65.5,35.33 SW48.2 56.5,44.33 56.5,52 55.72,52.78 SW34.2 55.72,68.93 SW19.2 50.95,77.55 45.5,83 45.5,88.67 SW4.2
  Bottom w0.2: v1(72.5,18.5) 83.9,18.5 86.8,15.6 95,15.6 97.9,18.5 131,18.5 132.5,17 140,17 143,14 163,14 164.4,12.6 U2.30
C3: length 194.8
  Top w0.2: SW49.2 84.29,42.11 83.2,43.2 80.3,43.2 79.5,44 79.5,49.91 SW35.2 74.77,68.93 SW20.2 64.5,79.19 64.5,88.72 SW5.2 ; SW49.2 88.5,31.38 88.5,26 89.4,25.1 89.4,23.3 90.2,22.5 93.7,22.5 95.2,24 107.46,24 112.96,18.5 v1(133.5,18.5) ; SW49.2 77.09,35.59 74.5,33 74.5,18.66 SW62.2 ; v1(162.7,17.3) 163.9,16.1 163.9,14 164.5,13.4 v1(166.26,13.4)
  Bottom w0.2: v1(162.7,17.3) 161.5,18.5 v1(133.5,18.5)
C4: length 146.3
  Top w0.2: v1(129,23.5) 110.5,23.5 104,30 104,35 103.41,35.59 SW50.2 98.5,40.43 98.5,49.96 SW36.2 93.81,68.93 SW21.2 89.05,79.15 86.5,81.7 84.5,81.7 84.5,87.77 SW6.2 ; v1(167,16.5) v1(161.5,22)
  Bottom w0.2: U2.32 167.3,14.2 167.5,14.4 167.5,16 v1(167,16.5) ; v1(129,23.5) 160,23.5 v1(161.5,22)
C5: length 134
  Top w0.2: v1(169.6,16.74) 169.6,12.6 v1(169.5,12.5) ; v1(168,14) 164,18 158.1,18 157.2,17.1 154.2,17.1 153.3,18 150.5,18 147,14.5 142,14.5 140.5,16 138,16 127,27 127,30.98 SW51.2 117.5,40.48 117.5,50.01 112.86,54.64 112.86,68.93 SW22.2 103.5,78.3 103.5,87.82 SW7.2
  Bottom w0.2: v1(168,14) v1(169.5,12.5)
C6: length 116.6
  Top w0.2: SW8.2 122.5,87.87 122.5,78.34 SW23.2 131.91,68.93 SW38.2 136.5,50.06 136.5,40.53 SW52.2 145.5,31.53 145.5,18.22 SW63.2
  Bottom w0.2: SW63.2 165.54,16.54 167,18 170,18 170.4,17.6 U2.37
C7: length 94.2
  Top w0.2: SW9.2 141.5,87.92 141.5,78.4 SW24.2 150.97,68.93 SW39.2 155.5,50.11 155.5,40.58 SW53.2 161,35.08 161,24 v1(166.5,18.5)
  Bottom w0.2: U2.40 172.8,17.7 172,18.5 v1(166.5,18.5)
C8: length 90.8
  Top w0.2: v1(174,22.5) 176.3,24.8 179.2,24.8 arc(179.91,25.09) 180.2,25.8 180.2,35 179.61,35.59 SW54.2 179.54,39.96 174.5,45 174.5,50.16 SW40.2 170.01,68.93 SW25.2 165.25,76.25 160.5,81 160.5,87.97 SW10.2 ; v1(173.6,16.74) v1(173.6,20.5)
  Bottom w0.2: v1(173.6,20.5) 173.6,22.1 v1(174,22.5)
C9: length 158.9
  Top w0.2: v1(169.6,5.26) 169.6,1.4 v1(169.8,1.2) ; v1(196,2.5) 200,2.5 v1(200.5,3) ; v1(207.8,6.2) 210.78,6.2 215.26,10.68 SW64.2 206.5,16.54 202.5,20.54 202.5,31.68 SW55.2 193.5,40.68 193.5,50.21 SW41.2 189.06,68.93 SW26.2 181.8,76.2 179.8,76.2 179.5,76.5 179.5,88.02 SW11.2
  Bottom w0.2: v1(200.5,3) 202,4.5 206.1,4.5 v1(207.8,6.2) ; v1(169.8,1.2) 170.12,0.88 194.38,0.88 v1(196,2.5)
C10: length 170.9
  Top w0.2: 226.5,18 227.96,16.54 SW65.2 ; 226.5,18 226.43,18.07 222.4,18.07 222.03,17.7 220.27,17.7 219.9,18.07 218.3,18.07 217.93,17.7 217,17.7 216.63,18.07 208.07,18.07 v1(207.5,17.5) ; 226.5,18 222.5,22 222.5,30.73 SW56.2 212.5,40.73 212.5,50.26 208.12,54.64 208.12,68.93 SW27.2 198.5,78.55 198.5,88.07 SW12.2 ; v1(173.5,1.5) 170.4,4.6 v1(170.4,5.26)
  Bottom w0.2: v1(207.5,17.5) 202.5,17.5 201,16 201,9.5 197.7,6.2 189.7,6.2 185.6,2.1 183.1,2.1 182.6,1.6 182.58,1.6 182.4,1.42 173.58,1.42 v1(173.5,1.5)
C11: length 215.9
  Top w0.2: v1(174.5,8.8) 174.5,7.9 v1(175.4,7) ; v1(263.5,6.2) 263.5,15.93 SW66.2 255.74,16.54 SW57.2 231.5,40.78 231.5,50.31 SW43.2 227.16,68.93 SW28.2 217.5,78.59 217.5,88.12 SW13.2 ; v1(171.2,5.26) 171.2,7.2 v1(172.8,8.8) ; v1(183.5,4.3) 187.5,0.3 198.8,0.3 v1(202.4,3.9)
  Bottom w0.2: v1(263.5,6.2) 263.5,4.7 263.2,4.4 257.8,4.4 257.3,3.9 238.6,3.9 237.3,2.6 235.7,2.6 234.4,3.9 215.9,3.9 214.9,2.9 211.8,2.9 210.8,3.9 v1(202.4,3.9) ; v1(174.5,8.8) v1(172.8,8.8) ; v1(183.5,4.3) 178.3,4.3 175.6,7 v1(175.4,7)
